# Allegro board RK_NVR_DEMO_RK3568_DDR4P216SD4_V12_20201221YWQ_final.brd (continued)
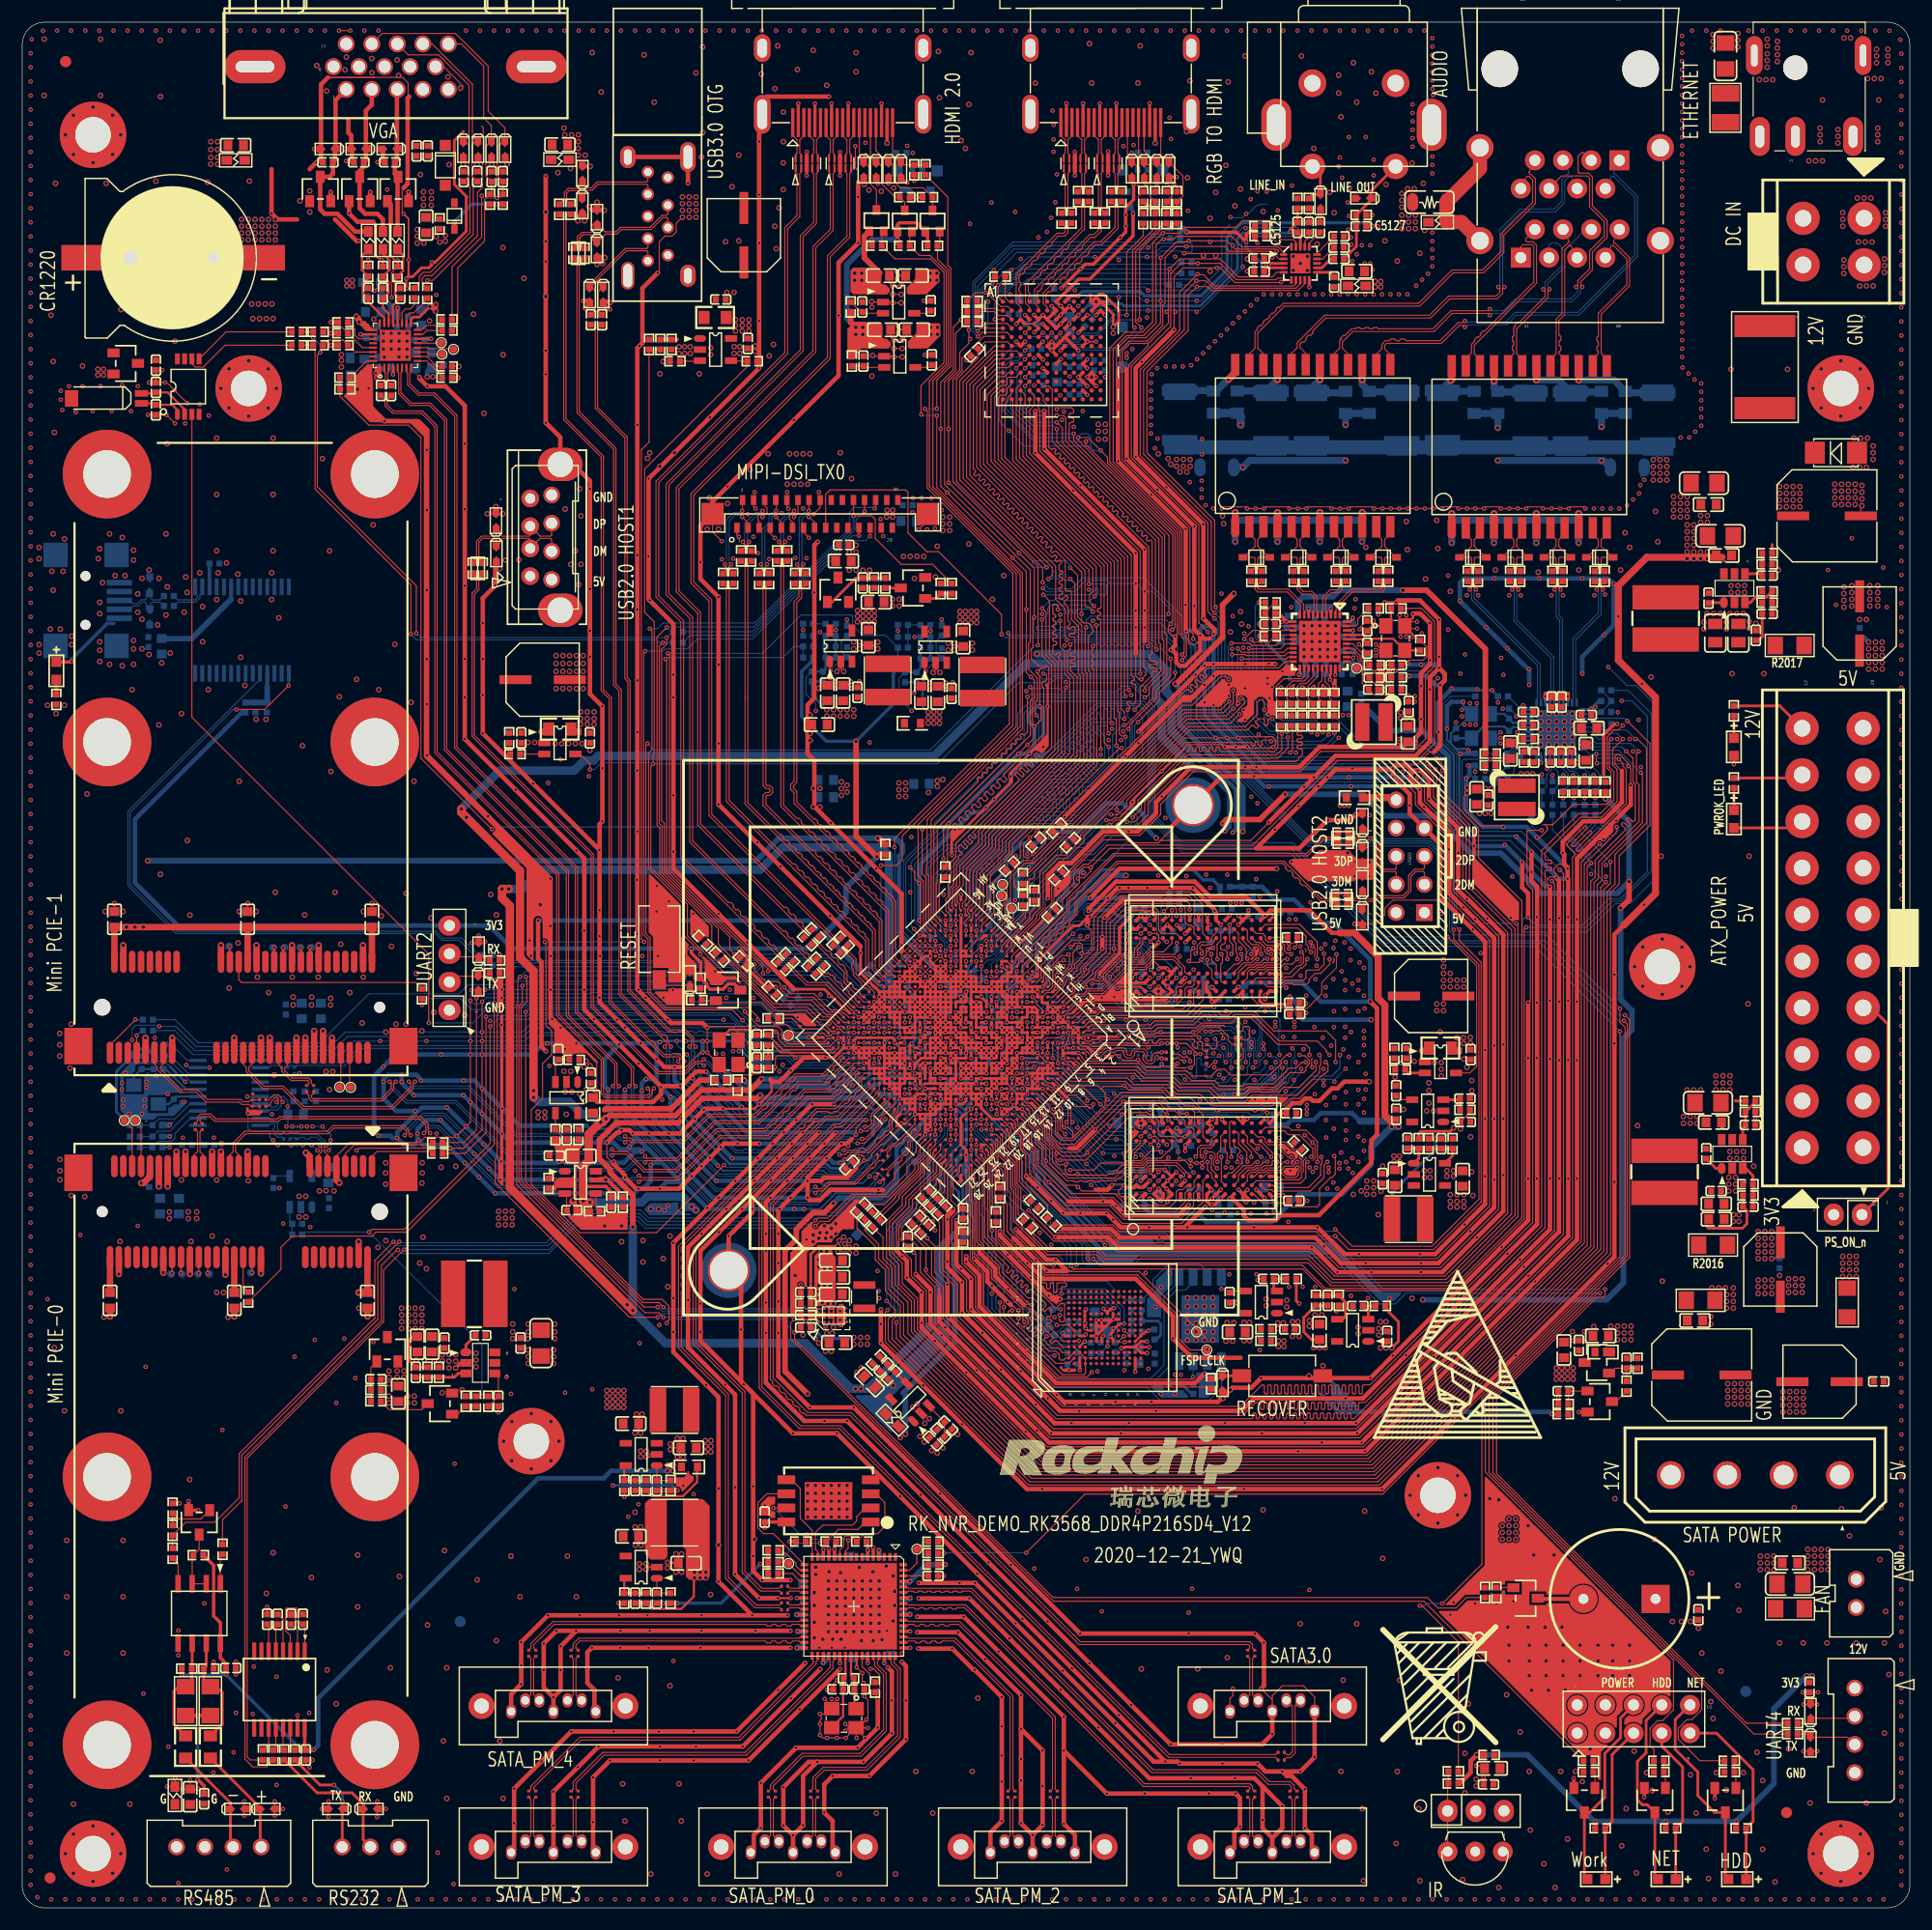
[diagram p0: board, top side]
## Routing (per net, layer and track width the routed paths; a pad name or vN(x,y) marks a point on that pad's centre or on a via; arc(x,y) is an arc through that point) (continued)
N21602190: length 1.5
  TOP w0.102: J8500.32 v1(15.91,57.2)
N21602258: length 3.1
  TOP w0.102: J8501.45 28.71,74.09 TP8512.1
N21602276: length 3.2
  TOP w0.102: J8501.47 29.51,74.04 TP8513.1
N21602301: length 4.3
  TOP w0.102: J8500.45 10.71,70.46 TP8505.1
N21602303: length 4.4
  TOP w0.102: J8500.47 9.91,70.26 TP8506.1
N21603110: length 1.4
  TOP w0.102: J8501.20 v1(18.71,86.66)
N21603131: length 1.4
  TOP w0.102: J8500.20 v1(20.71,57.27)
N21603156: length 1.3
  TOP w0.102: J8501.36 v1(25.11,86.56)
N21603165: length 1.3
  TOP w0.102: J8501.38 v1(25.91,86.56)
N21603192: length 1.5
  TOP w0.102: J8500.36 v1(14.31,57.2)
N21603201: length 1.5
  TOP w0.102: J8500.38 v1(13.51,57.2)
N21604892: length 2.5
  TOP w0.102: R9007.2 R9010.1 154.41,12.11 Q9001.1
N21604980: length 2.5
  TOP w0.102: R9008.2 R9011.1 148.06,12.11 Q9002.1
N21605068: length 2.5
  TOP w0.102: R9006.2 R9009.1 141.71,12.11 Q9000.1
N21605777: length 2.6
  TOP w0.102: R7004.2 R7005.1 134.35,28.87 Q7000.1
N21605860: length 4.1
  TOP w0.381: BP7000.2 136.62,27.84 Q7000.3
N21605953: length 1
  TOP w0.102: v1(82.28,87.17) 82.28,87.17 U1000.AF8
  BOTTOM w0.089: v1(82.28,87.17) 81.94,87.51 R1502.1
N21606908: length 7.3
  TOP w0.102: R1901.1 90.87,64.45 89.86,65.46 89.86,67.57 88.9,68.53 88.9,69.85 88.72,70.03 U1000.A19
N21606911: length 10.4
  TOP w0.102: U1000.B19 88.37,70.51 88.81,70.51 89.03,70.28 89.03,70.11 89.1,70.04 89.1,68.71 90.06,67.75 90.06,65.66 92.39,63.33 R1902.1
N21606914: length 8.5
  TOP w0.102: U1000.A20 88.32,69.64 88.32,68.35 89.45,67.22 89.45,65.16 89.74,64.87 89.74,62.51 R1904.1
N21607391: length 1.9
  TOP w0.254: U7000.12 117.1,147.83 117.91,148.64 C7005.1
N21607575: length 2
  TOP w0.102: C7004.1 117.17,148.63 U7000.14
N21607578: length 2.3
  TOP w0.102: C7003.1 116.66,149.14 U7000.15
N21607622: length 1.7
  TOP w0.102: U7000.16 115.96,150.06 C7002.1
N21607655: length 1.4
  TOP w0.254: U7000.18 115.16,150.78 C7000.1
N21607662: length 1.5
  TOP w0.102: C7001.1 115.93,150.57 115.56,150.21 U7000.17
N21615493: length 2.7
  TOP w0.102: U9500.1 17.86,31.67 R9504.2
N21615495: length 2.5
  TOP w0.102: U9500.4 14.05,31.02 R9507.2
N21615510: length 6
  TOP w0.102: Q9500.3 15.94,32.31 R9502.2 15.32,31.69 U9500.3 U9500.2
N21615528: length 5
  TOP w0.102: Q9500.1 16.1,35.05 14.07,35.05 R9510.1 R9509.2
N21615703: length 9.5
  TOP w0.305: R9505.2 v1(15.8,17.33) R9506.2 ; v1(15.8,11.58) 16.4,10.98 C9502.1
  BOTTOM w0.305: v1(15.8,17.33) v1(15.8,11.58)
N21617958: length 2.5
  TOP w0.102: U9501.1 25.46,25.4 C9504.2
N21617961: length 5.8
  TOP w0.102: U9501.3 24.16,24.56 23.72,24.99 23.72,26.92 23.83,27.03 24.73,27.03 C9504.1
N21617992: length 2.7
  TOP w0.102: U9501.2 24.81,25 C9506.2
N21618021: length 3.5
  TOP w0.102: U9501.4 23.51,25.98 C9507.2
N21618024: length 2.5
  TOP w0.102: U9501.5 22.86,25.38 C9507.1
N21618065: length 2.5
  TOP w0.102: U9501.6 22.21,25.42 C9508.2
N21619259: length 2.2
  TOP w0.102: U9501.14 24.16,14.65 R9512.1
N21619262: length 2
  TOP w0.102: U9501.13 23.51,14.34 R9514.1
N21650806: length 3.6
  TOP w0.102: v1(73.32,115.19) 73.27,115.14 U2103.5
  BOTTOM w0.203: R2113.2 C2122.2 R2121.1 73.3,115.12 73.32,115.14 v1(73.32,115.19) 73.3,115.22 R2117.2
N21650954: length 5.2
  TOP w0.102: U2103.1 72.77,111.61 72.82,111.56 v1(72.82,111.53)
  BOTTOM w0.102: R2108.2 73.81,114.16 73.81,113.23 C2118.1 73.85,112.27 73.53,112.27 72.82,111.56 v1(72.82,111.53)
N21651012: length 3.2
  BOTTOM w0.102: R2116.2 R2120.1 C2124.1 71.27,115.74 R2117.1
N21655164: length 4.9
  TOP w0.102: U1000.AB1 88.24,88.99 88.24,90.32 88.75,90.83 88.75,91.85 TP1601.1
N21655182: length 3.3
  TOP w0.102: U1000.AC1 87.88,89.55 87.88,90.88 TP1602.1
N21655200: length 3.2
  TOP w0.102: TP1603.1 89.3,89.97 89.3,89.05 87.88,87.63 U1000.AA1
N21695910: length 1.4
  TOP w0.305: v1(101.4,153.31) 101.4,153.41 R5109.1
  BOTTOM w0.305: D5100.2 102.12,153.31 v1(101.4,153.31)
N21696552: length 1.8
  TOP w0.305: R5120.1 v1(102.6,154.7) R5121.1
  BOTTOM w0.305: v1(102.6,154.7) 102.58,154.7 102.57,154.71 D5101.2
N21697184: length 2.6
  TOP w0.102: U5100.A2 88.95,144.79 88.56,145.17 R5119.1
N21703195: length 1.6
  TOP w0.102: U5101.4 81.64,143.74 C5115.1
N21703791: length 3.3
  TOP w0.102: U5101.3 75.81,143.74 C5114.1 75.55,143.86 R5125.2
N21704850: length 1.6
  TOP w0.102: U5103.4 81.74,138.86 C5123.1
N21704904: length 3
  TOP w0.102: U5103.3 75.91,138.86 C5122.1 R5126.2
N21706207: length 2.1
  TOP w0.102: R9511.1 22.86,14.43 U9501.12
N21706210: length 2.2
  TOP w0.102: R9513.1 22.21,14.75 U9501.11
N21706664: length 9.9
  TOP w0.254: R9515.2 21.45,9.01 ED9505.1 21.45,5.58 J9501.1
N21706689: length 9.8
  TOP w0.254: J9501.2 18.76,5.72 ED9504.1 18.76,9.46 R9516.2
N21707115: length 13.5
  TOP w0.152: v1(96.76,141.19) v1(95.96,141.19)
  TOP w0.254: 96.76,145.19 96.77,145.19 97.05,145.46 97.41,145.46 97.94,144.93 ; U5100.A11 96.27,144.88 96.27,145.39 ; 97.94,144.93 97.8,144.79 U5100.A12 98.3,143.65 v2(98.3,142.49) 98.81,143 98.81,144.07 97.94,144.93
  TOP w0.305: 96.76,144.39 U5100.A12 96.76,145.19 U5100.A11 96.76,144.39 ; 96.76,144.39 U5100.B11 ; U5100.F10 v1(95.96,141.19) U5100.E10
  vias: v2(98.3,141.94)
N21724674: length 18.9
  TOP w0.635: U6701.4 v2(132.61,125.68) ; U6701.7 v2(136.43,125.68) ; U6701.10 v2(140.24,125.68) ; U6701.1 v2(128.8,125.68)
  BOTTOM w0.635: C6726.1 C6727.1 v2(128.8,125.68) ; C6726.1 C6728.1 ; C6726.1 v2(132.61,125.68) ; C6728.1 C6725.1 140.23,125.67 v2(140.24,125.68) ; C6728.1 136.42,125.67 v2(136.43,125.68)
N21725684: length 23.2
  POWER w0.635: v2(142.29,130.45) v2(142.29,133.5) ; v2(132.95,133.41) v2(132.95,130.47)
  BOTTOM w0.635: v2(132.95,133.41) R6748.2 R6749.2 ; v2(142.29,133.5) 142.3,133.51 R6747.2 R6746.2 ; C6704.1 142.49,130.45 v2(142.29,130.45) 142.28,130.47 v2(132.95,130.47)
N21738710: length 19.4
  TOP w0.635: U6801.7 v2(116.93,125.78) ; U6801.1 v2(109.3,125.78) ; U6801.10 v2(120.74,125.78) ; U6801.4 v2(113.11,125.78)
  BOTTOM w0.635: C6826.1 116.92,125.77 v2(116.93,125.78) ; C6826.1 C6828.1 ; C6826.1 C6827.1 120.73,125.77 v2(120.74,125.78) ; C6828.1 v2(113.11,125.78) ; C6828.1 C6825.1 v2(109.3,125.78)
N21738826: length 23.9
  POWER w0.635: v2(109.98,129.84) 109.79,130.04 v2(109.79,133.68) ; v2(119.24,130.47) v2(119.24,133.68)
  BOTTOM w0.635: R6846.2 R6847.2 v2(119.24,133.68) ; v2(119.24,130.47) 110.6,130.47 v2(109.98,129.84) C6804.1
  BOTTOM w0.762: R6849.2 R6848.2 109.79,134.42 v2(109.79,133.68)
N21750647: length 37.5
  TOP w1.27: 128.33,151.96 C6729.1 131.35,156.79 J6700.4 ; 128.33,151.96 129.68,151.96 J6700.2 ; 128.33,151.96 FB6701.2
  POWER w2.032: J6700.4 132.78,160.09 146.17,160.09 J6700.3 J6700.1
N21758443: length 21
  TOP w0.254: J2004.1 168.1,64.82 168.1,79.65 166.62,81.13 J2000.14
N21773697: length 3.8
  TOP w0.102: R9606.1 31.42,45.66 R9609.2 C9516.2 31.42,48.71 Q9502.1
N21773715: length 4.8
  TOP w0.102: R9606.2 33.07,44.91 36,44.91 Q9501.3
N21773731: length 2.4
  TOP w0.102: Q9501.1 39.25,44.5 R9608.1 R9605.2
N21777742: length 1.2
  TOP w0.305: U5100.D8 v1(94.36,142.79)
  BOTTOM w0.305: v1(94.36,142.79) 94.39,142.81 C5128.1
N21779349: length 18.6
  TOP w0.102: v1(87.63,143.19) U5100.C1
  BOTTOM w0.102: R5111.1 103.23,146.41 90.47,146.41 90.37,146.3 89.35,146.3 87.63,144.59 v1(87.63,143.19)
N21779356: length 3.4
  TOP w0.102: U5100.C2 88.81,143.54 87.96,143.54 87.6,143.89 R5112.1
N21779359: length 2.7
  TOP w0.102: U5100.B1 88.02,143.99 87.83,144.17 86.73,144.17 R5114.1
N21779362: length 19
  TOP w0.102: U5100.A1 87.93,145.21 v1(87.93,146.28)
  BOTTOM w0.102: R5115.1 104.3,148.16 90.29,148.16 89.36,147.22 88.9,147.22 87.96,146.28 v1(87.93,146.28)
N21779365: length 21.1
  TOP w0.102: v1(87.22,145.9) 87.19,145.86 87.19,145.32 88.16,144.35 88.8,144.35 U5100.B2
  BOTTOM w0.102: v1(87.22,145.9) 87.29,145.9 87.49,145.69 88.16,145.69 89.28,146.81 89.58,146.81 90.11,147.35 R5117.1
N21779889: length 2.1
  TOP w0.305: U5100.C9 v1(95.16,143.59)
  BOTTOM w0.254: C5125.1 96.15,144.58 v1(95.16,143.59)
N21781422: length 33.4
  TOP w0.254: C5127.1 v1(121.67,151.59)
  TOP w0.305: U5100.A8 94.49,145.31 v1(95.15,145.31)
  BOTTOM w0.305: v1(121.67,151.59) 121.36,151.89 109.88,151.89 108.56,150.57 108.56,147.65 106.22,145.31 101.12,145.31 100.74,145.69 95.53,145.69 v1(95.15,145.31)
N21878888: length 4.4
  TOP w0.102: U1000.AG27 73.03,78.38 72.57,78.38 72.29,78.09 69.58,78.09 TP1201.1
N21879338: length 4.4
  TOP w0.102: R1204.2 60.33,82.98 D1201.1 57.94,83.14 SW1201.1
N21881423: length 3.1
  TOP w0.635: J2502.10 123.6,100.08 R2533.1
N21886811: length 6.4
  TOP w0.102: R1803.1 87.53,92.46 87.53,89.66 86.42,88.55 U1000.AC2
N21887537: length 2.9
  TOP w0.102: D1500.1 107.95,47.69 R1501.2
  TOP w0.254: D1500.1 108.21,47.96 SW1500.1
N22020751: length 2
  TOP w0.254: LED2001.1 R2020.2
N22068339: length 2
  TOP w0.254: R2021.2 LED2002.1
N22068534: length 6.3
  TOP w0.254: R2021.1 160.09,101.85 J2000.9
N22068551: length 6.4
  TOP w0.254: J2000.8 159.79,97.35 LED2002.2
N22236399: length 4.6
  BOTTOM w0.33: 22.08,110.06 U9100.4
  BOTTOM w0.508: R9102.2 C9100.1 C9101.1 22.08,108.69 22.08,110.06
N22236619: length 1.3
  TOP w0.305: LED9100.2 R9103.1
N22236693: length 61
  TOP w0.102: v1(19.3,108.03) 21.84,108.03 v1(24,110.19)
  BOTTOM w0.102: v1(24,110.19) 24.03,110.21 U9100.1 ; v1(19.3,108.03) 19.02,108.03 9.73,98.74 9.73,92.24 13.93,88.04 37.3,88.04 37.91,87.42 39.58,87.42 41.1,85.89 R9106.2
N22236695: length 59.1
  BOTTOM w0.102: R9107.2 41.48,85.12 39.39,87.21 37.83,87.21 37.21,87.83 13.84,87.83 9.52,92.15 9.52,98.84 21.43,110.74 U9100.5

## Copper pours and planes (outline as drawn; the poured copper is in the pictures)
GND on TOP (solid shape): 118.79,112.28 115.04,112.28 115.04,116.02 118.79,116.02
GND on TOP (solid shape): 20.42,72.09 20.42,71.93 21.06,71.93 21.06,71.88 21.69,71.88 21.69,71.73 21.39,71.42 20.37,71.42 20.17,71.63 20.17,72.17 20.34,72.17
GND on TOP (solid shape): 91.95,89.14 91.98,89.19 92.03,89.18 92.18,89.03 89.84,86.69 89.8,86.69 89.66,86.83 89.66,86.83 91.95,89.12
GND on TOP (solid shape): 72.83,31.07 76.53,31.07 76.53,31.09 76.83,31.09 76.83,31.07 78.83,31.07 78.83,23.28 75.33,23.28 75.33,23.27 75.03,23.27 75.03,23.28 71.03,23.28 71.03,31.07 72.53,31.07 72.53,31.09 72.83,31.09
GND on TOP (solid shape): 71.54,79.64 71.56,79.53 71.47,79.46 70.52,79.46 70.04,79.94 69.99,79.89 69.45,80.44 68.59,80.44 68.59,80.62 70.56,80.62
GND on TOP (solid shape): 120.14,94.56 121.67,94.56 121.79,94.44 121.79,92.79 121.67,92.66 121.07,92.66 121.07,92.67 121.02,92.67 120.9,92.79 120.27,92.79 120.01,92.53 115.85,92.53 114.17,94.21 114.17,94.31 114.43,94.56 116.08,94.56 116.84,95.33 119.38,95.33
GND on TOP (solid shape): 59.62,82.62 60.07,82.62 60.07,82.3 59.85,82.3 59.85,81.4 58.08,81.4 57.03,82.44 57.01,82.55 57.11,82.62 58.22,82.62 58.22,82.89 59.62,82.89
GND on TOP (solid shape): 138.62,60.83 120.41,42.62 92.71,42.62 82.5,52.84 82.5,55.83 82.56,55.93 82.67,55.91 82.75,55.83 82.75,52.98 92.81,42.93 120.3,42.93 138.32,60.94 138.32,91.95 138.62,91.95
GND on TOP (solid shape): 113.94,73.1 114.03,73.04 114.01,72.93 113.58,72.49 110.49,72.49 110.4,72.55 110.42,72.67 110.86,73.1
GND on TOP (solid shape): 115.05,66.92 115.09,66.84 115.09,66.59 114.81,66.31 114.81,66.1 114.69,65.99 113.94,65.99 113.57,66.36 113.79,66.59 113.79,66.69 113.8,66.7 114.57,66.7 114.81,66.94 114.84,66.94 114.9,66.93 114.96,66.94
GND on TOP (solid shape): 94.4,93.18 94.46,93.19 94.49,93.14 94.49,92.42 93.19,91.12 93.08,91.1 93.02,91.19 93.02,92.07 93.08,92.09 93.1,92.07 94.16,93.13 94.35,93.13
GND on TOP (solid shape): 104.6,104.55 104.71,104.57 104.77,104.48 104.77,104.42 100.28,99.93 100.28,99.57 99.01,98.3 98.93,98.3 98.89,98.33 98.9,98.38 99.77,99.26 99.77,99.72
GND on TOP (solid shape): 43.22,80.59 43.32,80.57 43.36,80.49 43.36,65.2 43.3,65.1 43.18,65.12 42.88,65.43 42.88,67.36 43.05,67.53 43.05,80.44 43.19,80.58
GND on TOP (solid shape): 84.02,63.09 84.02,62.79 83.52,62.28 83.52,57.81 84.84,56.49 84.84,53.74 93.63,44.94 109.87,44.94 109.9,44.97 109.95,44.98 109.98,44.93 109.98,44.77 109.85,44.64 93.38,44.64 84.53,53.48 84.53,56.29 83.21,57.61 83.21,62.26 83.05,62.41 83.88,63.24
GND on TOP (solid shape): 60.19,89.9 60.25,90 60.36,89.97 61.87,88.46 61.87,87.58 61.81,87.48 61.7,87.51 61.64,87.57 61.57,87.5 61.5,87.57 60.93,86.99 60.19,87.73
GND on TOP (solid shape): 52.44,65.92 52.51,66.01 52.62,65.99 53.89,64.71 53.92,64.6 53.82,64.54 53.42,64.54 53.42,64.69 52.73,65.38 51.13,65.38 51.13,65.89 51.22,65.89 51.27,65.84 51.95,65.84 52,65.89 52.44,65.89
GND on TOP (solid shape): 122.88,111.54 123.42,111.54 123.43,111.4 122.88,111.4 122.88,110.59 121.97,110.59 121.95,110.61 121.95,111.16 122.08,111.28 122.12,111.44 122.15,111.51 122.22,111.54 122.75,111.54 122.75,111.77 122.88,111.77
GND on TOP (solid shape): 60.1,39.18 60.34,38.94 60.5,38.94 60.5,38.51 59.56,37.56 59.45,37.54 59.39,37.63 59.29,37.86 59.05,37.96 58.9,37.96 58.9,38.81 59.62,38.81 59.87,39.06 59.87,39.14 59.92,39.14 59.92,39.36 60.1,39.36
GND on TOP (solid shape): 73,58.95 73.3,58.65 73.3,57.72 73.3,57.72 73.3,57.49 73.29,57.49 73.29,56.19 73.3,56.19 73.3,55.97 73.29,55.97 73.29,54.66 73.41,54.66 73.41,54.54 73.3,54.44 73.3,54.38 73.19,54.27 73.19,54.19 72.55,54.19 72.33,54.31 72.1,54.24 71.53,54.24 71.53,55.96 71.38,55.96 71.38,58.77 71.92,59.31 73,59.31
GND on TOP (solid shape): 61.32,85.74 61.39,85.77 61.46,85.74 63.22,83.97 64.29,83.97 64.75,83.51 64.77,83.4 64.68,83.34 64.6,83.34 64.3,83.64 63.48,83.64 63,83.16 62.11,83.16 62.02,83.26 62.02,83.42 61.61,83.83 61.61,84.27 61.49,84.27 61.49,85.37 61.29,85.57 61.26,85.65 61.3,85.72
GND on TOP (solid shape): 130.66,97.29 130.72,97.38 130.83,97.36 130.96,97.23 130.96,94.56 134.87,90.65 134.87,89.1 134.83,89.01 134.73,89 134.54,89.01 134.38,88.9 134.3,88.86 134.23,88.89 130.66,92.46
GND on TOP (solid shape): 56.44,93.08 56.5,93.17 56.61,93.15 59.33,90.43 59.33,87.58 60.05,86.86 60.08,86.79 60.05,86.72 59.97,86.6 59.94,86.46 59.94,85.91 60.77,85.08 60.77,84.27 60.65,84.27 60.65,83.66 60.46,83.66 60.46,84.09 59.83,84.09 59.83,83.67 59.82,83.66 59.62,83.66 59.62,83.4 58.22,83.4 58.22,84.72 56.84,84.72 56.84,87.52 56.44,87.92
GND on TOP (solid shape): 67.85,36.45 67.82,36.37 67.73,36.35 67.39,36.05 67.73,35.75 67.82,35.73 67.85,35.65 67.85,35.13 67.38,35.13 67.38,35.26 67.29,35.26 67.29,35.36 66.55,35.36 66.55,36.42 67.19,37.06 67.85,37.06
GND on TOP (solid shape): 143.25,97.64 143.33,97.6 143.35,97.51 143.35,97.39 143.38,97.28 143.39,97.27 143.39,97.04 142.49,96.14 142.42,96.11 142.35,96.14 142.06,96.22 141.85,96.01 141.84,95.99 140.43,94.58 140.32,94.56 140.26,94.65 140.26,94.69 143.21,97.64
GND on TOP (solid shape): 88.09,59.49 88.15,59.59 88.26,59.56 91.73,56.09 92.06,56.09 92.06,55.87 92.08,55.77 92.13,55.69 92.22,55.6 92.31,55.54 92.4,55.52 92.53,55.52 92.57,55.53 92.61,55.54 92.67,55.54 92.67,55.46 92.83,55.29 92.91,55.24 93.01,55.22 93.14,55.22 93.19,55.23 93.24,55.24 93.32,55.25 93.37,55.21 93.49,55.1 93.63,55.07 93.71,55.04 93.74,54.97 93.74,54.71 93.48,54.71 93.15,54.38 88.09,59.44
GND on TOP (solid shape): 111.46,86.5 111.46,86.21 111.36,86.09 111.34,85.94 111.32,85.86 111.25,85.82 111.13,85.78 111.04,85.68 110.73,85.38 110.67,85.43 110.68,85.46 110.69,85.51 110.69,85.57 110.72,85.64 110.78,85.67 110.99,85.8 111.03,86.05 111.03,86.06 111.05,86.35 110.9,86.49 110.88,86.6 110.97,86.67 111.29,86.67
GND on TOP (solid shape): 112.89,86.28 112.89,86.21 113.14,85.96 113.14,85.94 113.12,85.86 113.05,85.82 112.85,85.7 112.79,85.47 112.8,85.45 112.7,85.35 112.58,85.35 112.5,85.39 112.48,85.48 112.49,85.52 112.49,85.57 112.52,85.64 112.58,85.67 112.81,86.1 112.33,86.19 112.26,86.16 112.19,86.19 112.08,86.3 112.08,86.61 112.56,86.61
GND on TOP (solid shape): 48.59,69.26 48.59,68.77 50.46,68.77 50.46,68.58 50.24,68.36 50.24,67.37 49.96,67.09 49.96,63.7 50.01,63.48 50.13,63.29 50.41,63.02 51.16,63.02 51.23,63.02 51.31,63.04 51.4,63.02 51.43,62.94 51.43,62.41 51.53,62.41 51.53,62.31 52.49,62.31 52.49,62.53 52.8,62.53 52.95,62.68 54.56,62.68 54.56,61.37 54.56,61.3 54.58,61.24 54.56,61.15 54.48,61.11 50.35,61.11 49.22,62.24 49.2,62.35 49.29,62.41 49.56,62.41 49.56,62.51 49.66,62.51 49.66,63.27 49.56,63.27 49.56,63.37 49.31,63.37 49.31,63.89 49.64,63.89 49.64,64.89 48.14,64.89 48.14,64.64 47.99,64.64 47.9,64.73 47.9,65.35 48.4,65.84 49.51,65.84 49.73,66.06 49.73,66.94 49.41,67.26 48.29,67.26 48.08,67.48 48.08,68.19 48.01,68.19 48.01,68.56 47.7,68.87 47.7,69.58 48.27,69.58
GND on TOP (solid shape): 114.4,68.21 114.9,68.21 115.06,68.05 115.09,67.97 115.05,67.9 114.97,67.78 114.94,67.64 114.92,67.57 114.85,67.53 114.7,67.47 114.6,67.33 114.6,67.32 114.48,67.2 114.48,67.04 114.45,67.01 114.37,67.01 114.29,67.05 114.28,67.14 114.29,67.21 114.29,67.27 114.31,67.35 114.38,67.39 114.62,67.81 114.14,67.91 114.07,67.89 114,67.92 113.21,68.71 113.19,68.82 113.28,68.88 113.73,68.88
GND on TOP (solid shape): 92.32,110.36 92.43,110.38 92.5,110.29 92.5,104.7 91.85,104.06 91.69,104.22 91.61,104.22 91.52,104.3 91.29,104.3 91.2,104.28 91.11,104.22 91.02,104.13 90.98,104.07 90.95,104 90.95,103.98 90.84,103.87 90.82,103.86 90.75,103.84 90.68,103.79 90.59,103.7 90.55,103.64 90.52,103.57 90.52,103.55 90.4,103.43 90.39,103.43 90.31,103.41 90.25,103.36 90.16,103.27 90.12,103.21 90.09,103.13 90.09,103.12 89.97,103 89.96,103 89.88,102.98 89.82,102.93 89.73,102.84 89.68,102.78 89.66,102.7 89.66,102.69 89.54,102.57 89.53,102.57 89.45,102.54 89.39,102.5 89.3,102.41 89.24,102.33 89.23,102.23 89.23,102 89.28,101.94 89.28,101.49 83.87,96.07 83.87,94.84 83.79,94.77 83.68,94.74 83.62,94.84 83.62,97.03 83.95,97.36 84.07,97.36 84.2,97.23 84.3,97.23 84.34,97.22 84.38,97.22 84.52,97.22 84.55,97.22 84.6,97.23 84.71,97.23 88.9,101.42 88.9,101.49 88.94,101.53 88.94,101.89 88.9,101.93 88.9,102.32 92.3,105.72 92.3,110.04 92.15,110.19 92.15,110.31 92.28,110.31
GND on TOP (solid shape): 75.38,63.86 75.47,63.79 75.45,63.68 74.54,62.78 74.97,62.35 74.97,61.16 73.93,61.16 73,60.23 73,59.97 71.64,59.97 70.72,59.04 70.72,55.96 70.53,55.96 70.45,56 70.44,56.09 70.15,56.49 69.86,56.09 69.84,56 69.76,55.96 69.67,55.96 69.67,54.02 70.27,54.02 70.29,54 70.3,53.94 70.25,53.91 69.67,53.91 69.67,53.44 69.64,53.36 69.56,53.34 69.45,53.32 69.36,53.27 69.25,53.26 69.19,53.35 69.19,59.04 70.21,60.06 70.21,60.97 71.06,61.83 71.15,61.86 71.22,61.81 71.24,61.79 71.26,61.72 71.24,61.66 71.34,61.2 71.77,61.39 71.77,61.4 71.99,61.62 72.8,61.62 75.04,63.86
GND on TOP (solid shape): 100.07,84.23 100.04,84.16 99.97,84.12 99.69,83.82 99.97,83.52 100.04,83.49 100.07,83.42 100.07,83.21 98.77,83.21 98.77,83.22 98.42,82.79 98.97,82.8 98.98,82.83 100.07,82.83 100.07,82.66 99.93,82.52 99.91,82.51 99.78,82.01 100.28,82.15 100.29,82.16 100.34,82.22 100.44,82.22 100.5,82.16 100.5,82.15 100.81,81.92 101.09,82.17 101.1,82.22 102.04,82.22 102.1,82.16 102.1,82.15 102.39,81.92 102.68,82.15 102.69,82.16 102.74,82.22 103.34,82.22 103.43,82.15 103.41,82.04 103.06,81.7 96.66,81.7 96.55,81.59 95.85,81.59 95.38,81.11 95.1,81.39 95.47,81.77 95.87,81.77 96.36,82.26 97.46,82.26 99.84,84.64 100.07,84.64
GND on TOP (solid shape): 31.57,139.14 31.61,139.11 31.6,139.05 31.55,139 31.55,138.58 31.5,138.58 31.55,138.52 31.55,138.49 31.55,138.48 31.52,138.34 31.55,138.2 31.55,138.19 31.55,137.9 31.57,137.79 31.62,137.69 31.62,135.36 32.77,134.21 33.99,134.21 34.02,134.18 35.83,134.18 36.7,133.3 36.7,131.65 36.63,131.57 36.63,104.04 47.8,92.86 47.8,80.37 51.87,76.3 51.87,76.22 51.8,76.13 51.69,76.15 50.83,77.01 49.85,77.01 49.76,76.92 48.79,76.92 48.79,76.94 48.69,76.94 48.69,77.04 47.96,77.04 47.96,79.15 47.45,79.66 47.45,87.07 47.39,87.14 47.38,87.15 47.24,87.33 47.02,87.36 46.93,87.38 46.89,87.46 46.89,89 46.48,89.41 46.08,89 46.08,85.5 46.01,85.41 45.9,85.43 45.44,85.89 45.44,93.71 42.38,96.78 42.35,96.87 42.42,96.95 42.62,97.24 42.39,97.52 42.38,97.53 36.18,103.73 36.18,132.63 34.9,133.91 31.33,133.91 29.01,136.23 28.98,136.34 29.08,136.41 29.11,136.41 29.11,136.5 29.21,136.5 29.21,137.27 29.11,137.27 29.11,137.46 30.01,137.46 30.01,138.06 31.09,139.14
GND on TOP (solid shape): 113.99,112.02 114.79,112.02 114.79,111.75 114.79,111.39 114.71,111.31 114.71,111.15 114.71,111.05 113.59,111.05 112.74,110.2 112.74,108.88 112.94,108.68 112.94,108.08 113.17,108.08 113.17,107.93 112.94,107.93 112.94,107.39 112.85,107.39 112.83,107.41 112.66,107.49 112.47,107.45 112.46,107.44 112.22,107.44 112.17,107.39 112.14,107.39 112.01,107.52 112.01,107.71 112.04,107.73 112.2,107.91 112.17,108.15 112.17,108.16 112.17,108.82 111.84,109.15 111.38,109.15 111.25,109.02 111.23,109.02 111,108.79 111,107.65 110.23,106.88 109.56,106.88 109.47,106.95 109.49,107.06 109.74,107.31 109.75,107.31 109.97,107.52 109.89,107.82 109.86,107.89 109.89,107.96 110.39,108.46 110.39,109.02 110.14,109.27 109.99,109.27 109.98,109.28 109.55,109.14 109.74,108.73 109.8,108.66 109.78,108.56 109.5,108.29 109.43,108.26 109.35,108.3 109.33,108.32 109.3,108.39 109.33,108.46 109.37,108.5 109.37,109.56 109.38,109.58 109.12,110.03 108.85,109.58 108.86,109.56 108.86,109.15 108.83,109.08 108.76,109.05 108.58,108.99 108.47,108.83 108.47,108.81 107.91,108.25 105.86,108.25 105.77,108.32 105.79,108.43 108.11,110.74 108.35,110.74 108.41,110.68 108.42,110.67 108.92,110.53 108.79,111.04 108.77,111.04 108.56,111.25 107.9,111.25 105.3,108.66 104.49,108.66 93.85,98.02 93.61,98.26 99.3,103.95 99.37,103.95 104.72,109.3 105.41,109.3 105.48,109.37 105.53,109.4 105.57,109.43 105.66,109.52 105.69,109.55 105.72,109.6 105.92,109.8 105.97,109.83 106,109.86 106.09,109.95 106.12,109.98 106.15,110.03 106.35,110.23 106.4,110.26 106.43,110.29 106.52,110.38 106.55,110.41 106.58,110.46 106.78,110.66 106.83,110.69 106.86,110.72 106.95,110.81 106.98,110.85 107.01,110.9 107.62,111.51 113.31,111.51 113.9,112.09 113.99,112.09
GND on TOP (solid shape): 131.78,38.74 131.78,38.76 131.78,38.78 131.8,38.81 131.82,38.83 131.85,38.84 131.88,38.84 131.91,38.84 131.94,38.82 131.95,38.81 148.53,22.23 148.53,19.14 148.53,19.13 148.52,19.1 148.5,19.08 148.48,19.06 148.46,19.05 148.43,19.04 148.4,19.04 148.37,19.06 148.33,19.09 148.25,19.14 148.18,19.18 148.09,19.22 148.01,19.25 147.92,19.27 147.84,19.28 147.75,19.29 147.66,19.29 147.57,19.28 147.48,19.26 147.4,19.23 147.31,19.2 147.23,19.16 147.16,19.11 147.09,19.06 147.02,19 146.96,18.93 146.91,18.86 146.86,18.78 146.82,18.71 146.79,18.62 146.76,18.54 146.74,18.45 146.73,18.36 146.73,18.27 146.73,18.18 146.75,18.1 146.77,18.01 146.8,17.92 146.83,17.85 145.99,17.01 145.99,16.6 145.99,16.59 145.98,16.56 145.96,16.54 145.94,16.52 145.92,16.51 145.89,16.5 145.86,16.5 145.83,16.52 145.79,16.55 145.71,16.6 145.64,16.64 145.56,16.68 145.47,16.71 145.39,16.73 145.3,16.74 145.21,16.75 145.12,16.75 145.03,16.74 144.94,16.72 144.86,16.69 144.78,16.66 144.7,16.62 144.62,16.57 144.55,16.52 144.51,16.48 144.48,16.47 144.45,16.46 144.42,16.47 144.4,16.48 144.37,16.5 144.36,16.52 144.35,16.55 144.35,16.57 144.35,16.98 144.76,17.39 144.8,17.37 144.88,17.33 144.97,17.31 145.05,17.29 145.14,17.29 145.23,17.29 145.32,17.29 145.41,17.31 145.49,17.33 145.58,17.36 145.66,17.4 145.74,17.45 145.81,17.5 145.88,17.56 145.94,17.62 145.99,17.69 146.04,17.76 146.09,17.84 146.12,17.92 146.15,18.01 146.17,18.09 146.19,18.18 146.19,18.27 146.19,18.36 146.18,18.45 146.16,18.54 146.14,18.62 146.1,18.7 146.06,18.78 146.01,18.86 145.96,18.93 145.9,19 145.83,19.06 145.76,19.11 145.69,19.16 145.61,19.2 145.52,19.23 145.44,19.26 145.35,19.28 145.26,19.29 145.17,19.29 145.08,19.28 145,19.27 144.91,19.25 144.83,19.22 144.74,19.18 144.67,19.14 144.59,19.09 144.52,19.03 144.46,18.97 144.4,18.9 144.35,18.83 144.3,18.76 144.27,18.67 144.24,18.59 144.21,18.5 144.2,18.42 144.19,18.33 144.19,18.24 144.2,18.15 144.21,18.06 144.24,17.98 144.27,17.89 144.29,17.85 143.69,17.25 143.69,16.33 143.69,16.32 143.68,16.29 143.66,16.26 143.64,16.25 143.61,16.23 143.59,16.23 143.56,16.23 143.53,16.25 143.51,16.27 143.48,16.32 143.42,16.39 143.36,16.45 143.3,16.51 143.22,16.57 143.15,16.62 143.07,16.66 142.99,16.69 142.9,16.72 142.81,16.74 142.72,16.75 142.63,16.75 142.54,16.74 142.45,16.73 142.37,16.71 142.28,16.68 142.2,16.64 142.12,16.6 142.05,16.55 141.98,16.49 141.92,16.43 141.86,16.36 141.81,16.29 141.76,16.21 141.72,16.13 141.69,16.04 141.67,15.96 141.66,15.87 141.65,15.78 141.65,15.69 141.66,15.6 141.68,15.51 141.7,15.42 141.73,15.34 141.77,15.26 141.82,15.18 141.87,15.11 141.93,15.05 142,14.98 142.07,14.93 142.15,14.88 142.23,14.84 142.31,14.81 142.39,14.78 142.48,14.76 142.57,14.75 142.66,14.75 142.75,14.74 142.77,14.73 142.79,14.71 142.8,14.69 142.81,14.66 142.81,14.63 142.81,14.61 142.78,14.57 142.27,14.06 142.27,11.55 141.96,11.55 141.96,11.76 142.05,11.76 142.05,13.74 140.55,13.74 138.5,15.79 139.11,15.79 139.11,15.7 139.12,15.61 139.13,15.52 139.16,15.44 139.19,15.35 139.23,15.27 139.27,15.2 139.33,15.12 139.39,15.05 139.45,14.99 139.52,14.94 139.6,14.89 139.68,14.84 139.76,14.81 139.84,14.78 139.93,14.76 140.02,14.75 140.11,14.75 140.2,14.75 140.29,14.76 140.38,14.78 140.46,14.81 140.55,14.84 140.62,14.89 140.7,14.94 140.77,14.99 140.83,15.05 140.89,15.12 140.95,15.2 140.99,15.27 141.03,15.35 141.06,15.44 141.09,15.52 141.1,15.61 141.11,15.7 141.11,15.79 141.1,15.88 141.09,15.97 141.06,16.06 141.03,16.14 140.99,16.22 140.95,16.3 140.89,16.37 140.83,16.44 140.77,16.5 140.7,16.56 140.62,16.61 140.55,16.65 140.46,16.69 140.38,16.71 140.29,16.73 140.2,16.75 140.11,16.75 140.02,16.75 139.93,16.73 139.84,16.71 139.76,16.69 139.68,16.65 139.6,16.61 139.52,16.56 139.45,16.5 139.39,16.44 139.33,16.37 139.27,16.3 139.23,16.22 139.19,16.14 139.16,16.06 139.13,15.97 139.12,15.88 139.11,15.79 138.5,15.79 135.96,18.33 139.11,18.33 139.11,18.24 139.12,18.15 139.13,18.06 139.16,17.98 139.19,17.89 139.23,17.81 139.27,17.74 139.33,17.66 139.39,17.59 139.45,17.53 139.52,17.48 139.6,17.43 139.68,17.38 139.76,17.35 139.84,17.32 139.93,17.3 140.02,17.29 140.11,17.29 140.2,17.29 140.29,17.3 140.38,17.32 140.46,17.35 140.55,17.38 140.62,17.43 140.7,17.48 140.77,17.53 140.83,17.59 140.89,17.66 140.95,17.74 140.99,17.81 141.03,17.89 141.06,17.98 141.09,18.06 141.1,18.15 141.11,18.24 141.11,18.33 141.65,18.33 141.65,18.24 141.66,18.15 141.67,18.06 141.7,17.98 141.73,17.89 141.77,17.81 141.81,17.74 141.87,17.66 141.93,17.59 141.99,17.53 142.06,17.48 142.14,17.43 142.22,17.38 142.3,17.35 142.38,17.32 142.47,17.3 142.56,17.29 142.65,17.29 142.74,17.29 142.83,17.3 142.92,17.32 143,17.35 143.09,17.38 143.16,17.43 143.24,17.48 143.31,17.53 143.37,17.59 143.43,17.66 143.49,17.74 143.53,17.81 143.57,17.89 143.6,17.98 143.63,18.06 143.64,18.15 143.65,18.24 143.65,18.33 143.64,18.42 143.63,18.51 143.6,18.6 143.57,18.68 143.53,18.76 143.49,18.84 143.43,18.91 143.37,18.98 143.31,19.04 143.24,19.1 143.16,19.15 143.09,19.19 143,19.23 142.92,19.25 142.83,19.27 142.74,19.29 142.65,19.29 142.56,19.29 142.47,19.27 142.38,19.25 142.3,19.23 142.22,19.19 142.14,19.15 142.06,19.1 141.99,19.04 141.93,18.98 141.87,18.91 141.81,18.84 141.77,18.76 141.73,18.68 141.7,18.6 141.67,18.51 141.66,18.42 141.65,18.33 141.11,18.33 141.1,18.42 141.09,18.51 141.06,18.6 141.03,18.68 140.99,18.76 140.95,18.84 140.89,18.91 140.83,18.98 140.77,19.04 140.7,19.1 140.62,19.15 140.55,19.19 140.46,19.23 140.38,19.25 140.29,19.27 140.2,19.29 140.11,19.29 140.02,19.29 139.93,19.27 139.84,19.25 139.76,19.23 139.68,19.19 139.6,19.15 139.52,19.1 139.45,19.04 139.39,18.98 139.33,18.91 139.27,18.84 139.23,18.76 139.19,18.68 139.16,18.6 139.13,18.51 139.12,18.42 139.11,18.33 135.96,18.33 127.69,26.6 127.68,26.61 127.67,26.64 127.66,26.66 127.67,26.69 127.68,26.72 127.7,26.75 127.72,26.76 127.75,26.77 127.76,26.77 129.29,26.77 130.24,27.72 131.33,27.72 131.33,27.49 132.29,27.49 132.29,28.39 132.45,28.39 132.45,28.29 133.21,28.29 133.21,28.39 133.31,28.39 133.31,28.62 133.61,28.62 133.61,28.25 135.12,28.25 135.12,28.51 135.81,28.51 135.81,27.3 137.32,27.3 137.32,27.45 139.35,27.45 139.37,27.4 139.41,27.3 139.45,27.21 139.5,27.12 139.56,27.03 139.63,26.95 139.7,26.87 139.77,26.8 139.85,26.74 139.94,26.68 140.03,26.63 140.13,26.58 140.22,26.55 140.32,26.52 140.43,26.49 140.53,26.48 140.63,26.47 140.74,26.47 140.84,26.48 140.94,26.5 141.04,26.52 141.14,26.56 141.24,26.6 141.33,26.64 141.42,26.7 141.51,26.76 141.59,26.83 141.66,26.9 141.73,26.98 141.79,27.06 141.85,27.15 141.9,27.24 141.94,27.33 141.98,27.43 142,27.53 142.02,27.64 142.04,27.74 142.04,27.84 142.04,27.95 142.02,28.05 142,28.15 141.98,28.25 141.94,28.35 141.9,28.45 141.85,28.54 141.79,28.63 141.73,28.71 141.66,28.79 141.59,28.86 141.51,28.93 141.42,28.99 141.33,29.04 141.24,29.09 141.14,29.13 141.04,29.16 140.94,29.19 140.84,29.21 140.74,29.21 140.63,29.22 140.53,29.21 140.43,29.19 140.32,29.17 140.22,29.14 140.13,29.1 140.03,29.06 139.94,29.01 139.85,28.95 139.77,28.88 139.7,28.81 139.63,28.74 139.56,28.66 139.5,28.57 139.45,28.48 139.41,28.38 139.37,28.29 139.35,28.24 137.32,28.24 137.32,28.51 135.12,28.51 135.12,29.46 133.61,29.46 133.61,29.13 133.31,29.13 133.31,29.35 131.33,29.35 131.33,28.23 130.02,28.23 129.08,27.28 128.25,27.28 128.25,27.34 128.26,27.37 131.78,30.88 131.78,34.42 133,34.42 133.01,34.37 133.02,34.32 133.04,34.27 133.07,34.23 133.1,34.19 133.11,34.17 133.12,34.14 133.11,34.11 133.1,34.08 133.07,34.05 133.04,34.01 133.02,33.96 133.01,33.91 133,33.86 133,33.81 133.01,33.76 133.02,33.71 133.04,33.66 133.07,33.62 133.1,33.58 133.11,33.56 133.12,33.53 133.11,33.5 133.1,33.47 133.07,33.44 133.04,33.39 133.02,33.35 133.01,33.29 133,33.24 133,33.19 133.01,33.14 133.03,33.08 133.05,33.04 133.08,32.99 133.12,32.96 133.16,32.92 133.21,32.9 133.26,32.88 133.31,32.87 133.37,32.87 133.42,32.88 133.47,32.89 133.52,32.92 133.57,32.95 133.6,32.97 133.63,32.99 133.65,32.99 133.68,32.99 133.71,32.97 133.74,32.95 133.79,32.92 133.83,32.89 133.88,32.88 133.93,32.87 133.99,32.87 134.04,32.88 134.09,32.89 134.13,32.92 134.18,32.95 134.21,32.97 134.23,32.99 134.26,32.99 134.29,32.99 134.32,32.97 134.35,32.95 134.4,32.92 134.45,32.89 134.5,32.88 134.55,32.87 134.6,32.87 134.66,32.88 134.71,32.9 134.76,32.92 134.8,32.96 134.84,32.99 134.87,33.04 134.89,33.08 134.91,33.14 134.92,33.19 134.92,33.24 134.91,33.29 134.9,33.35 134.88,33.39 134.85,33.44 134.82,33.47 134.81,33.5 134.8,33.53 134.81,33.56 134.82,33.58 134.85,33.62 134.88,33.66 134.9,33.71 134.91,33.76 134.92,33.81 134.92,33.86 134.91,33.91 134.9,33.96 134.88,34.01 134.85,34.05 134.82,34.08 134.81,34.11 134.8,34.14 134.81,34.17 134.82,34.19 134.85,34.23 134.88,34.27 134.9,34.32 134.91,34.37 134.92,34.42 134.92,34.47 134.91,34.52 134.9,34.57 134.88,34.62 134.85,34.66 134.82,34.69 134.81,34.72 134.8,34.75 134.81,34.78 134.82,34.8 134.85,34.84 134.88,34.88 134.9,34.93 134.91,34.98 134.92,35.03 134.92,35.09 134.91,35.14 134.89,35.19 134.87,35.24 134.84,35.28 134.8,35.32 134.76,35.35 134.71,35.38 134.66,35.39 134.6,35.4 134.55,35.4 134.5,35.4 134.45,35.38 134.4,35.36 134.35,35.33 134.32,35.3 134.29,35.29 134.26,35.29 134.23,35.29 134.21,35.3 134.18,35.33 134.13,35.36 134.08,35.38 134.03,35.4 133.98,35.4 133.93,35.4 133.87,35.39 133.82,35.38 133.78,35.35 133.73,35.32 133.7,35.29 133.66,35.24 133.64,35.2 133.62,35.15 133.61,35.09 133.61,35.04 133.61,34.99 133.63,34.94 133.65,34.89 133.68,34.84 133.71,34.8 133.75,34.76 133.75,34.74 133.71,34.69 133.68,34.68 133.65,34.68 133.63,34.68 133.6,34.69 133.57,34.72 133.52,34.75 133.47,34.77 133.42,34.79 133.37,34.79 133.31,34.79 133.26,34.78 133.21,34.77 133.16,34.74 133.12,34.71 133.08,34.67 133.05,34.63 133.03,34.58 133.01,34.53 133,34.48 133,34.42 131.78,34.42
GND on BOTTOM (solid shape): 94.64,52.2 94.59,52.2 94.59,51.35 93.65,51.35 93.57,51.39 93.55,51.48 93.57,51.62 93.55,51.75 93.54,51.78 94.12,52.36 94.64,52.36
GND on BOTTOM (solid shape): 103.63,56.19 102.62,55.17 102.62,53.21 102.58,53.16 102.53,53.17 102.47,53.23 101.34,53.23 101.34,53.39 101.35,53.39 101.35,54.89 102.14,55.68 102.14,56.52 103.38,57.76 103.63,57.76
GND on BOTTOM (solid shape): 107.79,46.94 106.83,45.97 106,45.97 106,47.72 105.91,47.72 105.83,47.75 105.81,47.83 105.8,47.92 105.77,48 105.76,48.02 105.76,48.27 107.79,48.27
GND on BOTTOM (solid shape): 13.22,75.84 13.28,75.93 13.4,75.91 14.87,74.44 14.87,74.36 14.8,74.26 14.69,74.28 13.22,75.75
GND on BOTTOM (solid shape): 84.01,74.47 84.17,74.62 84.42,74.37 84.35,74.3 84.79,73.85 84.5,73.56 84.19,73.56 83.89,73.25 83.45,73.25 82.82,73.88 82.81,73.93 82.86,73.96 82.94,73.96 83.16,74.19 83.16,74.78 83.51,74.78 83.6,74.87
GND on BOTTOM (solid shape): 74.83,74.29 75.08,74.29 75.08,74.3 75.2,74.3 75.2,74.22 75.13,74.17 75.02,74.06 73.13,74.06 73.13,74.44 73.43,74.44 73.72,74.55 73.88,74.81 73.88,74.85 74.83,74.85
GND on BOTTOM (solid shape): 82.04,70.45 82.04,70.26 80.69,68.92 80.64,68.88 80.53,68.86 80.47,68.95 80.47,68.98 80.54,69.07 81.98,70.51
GND on BOTTOM (solid shape): 71.82,78.45 71.84,78.34 71.75,78.28 71.55,78.28 71.5,78.28 68.47,78.28 68.38,78.35 68.4,78.46 68.63,78.69 71.58,78.69
GND on BOTTOM (solid shape): 75.85,67.51 75.95,67.45 75.92,67.34 74.73,66.14 74.62,66.14 74.53,66.2 74.55,66.32 75.46,67.23 75.47,67.23 75.58,67.3 75.64,67.4 75.65,67.41 75.75,67.51
GND on BOTTOM (solid shape): 98.42,51.89 98.22,51.69 98.22,51.44 98,51.44 98,51.01 97.96,50.93 97.87,50.91 97.83,50.92 97.79,50.92 97.75,50.94 97.74,50.97 97.74,51.21 97.65,51.3 97.65,51.43 97.52,51.43 97.38,51.57 97.38,52.34 97.45,52.41 98.16,52.41 98.16,52.43 98.42,52.43
GND on BOTTOM (solid shape): 59.12,63.32 59.13,63.23 59.13,62.94 59.23,62.94 59.23,62.84 59.37,62.84 59.42,62.81 59.46,62.79 59.64,62.61 60.16,62.61 60.25,62.52 60.26,62.46 60.21,62.43 56.54,62.43 56.02,62.95 56.05,63.02 56.07,63.02 56.58,63.53 59.13,63.53
GND on BOTTOM (solid shape): 81.72,67.91 81.83,67.93 81.9,67.84 81.9,67.44 81.89,67.38 81.89,64.52 81.66,64.29 81.55,64.26 81.48,64.36 81.48,67.66 81.67,67.85
GND on BOTTOM (solid shape): 112.88,75.33 112.99,75.35 113.06,75.26 113.06,74.82 112.71,74.47 112.2,74.47 111.44,73.71 110.63,73.71 110.02,73.1 107.81,73.1 107.65,73.26 107.63,73.37 107.73,73.43 108.04,73.43 108.14,73.53 110.07,73.53 110.45,73.91 111.37,73.91 112.59,75.13 112.69,75.13
GND on BOTTOM (solid shape): 102.7,47.11 102.72,47.1 102.75,47.09 102.8,47.05 102.83,46.99 102.83,46.76 102.87,46.76 102.87,46.74 102.92,46.74 102.92,46.66 103.68,46.66 103.68,46.74 104.05,46.74 104.05,46.66 104.54,46.66 105.04,46.17 105.04,45.97 102.67,45.97 101.75,46.89 101.73,47 101.82,47.07 101.98,47.07 102.36,47.45
GND on BOTTOM (solid shape): 83.4,59.3 83.51,59.32 83.57,59.23 83.57,51.25 79.21,46.89 79.16,46.89 78.41,46.13 78.41,42.98 78.35,42.88 78.24,42.9 75.11,46.03 75.09,46.14 75.18,46.2 76.42,46.2 83.26,53.05 83.26,59.17
GND on BOTTOM (solid shape): 85.03,68.4 85.14,68.42 85.2,68.32 85.21,68.24 85.25,68.16 85.25,68.04 85.32,67.94 85.32,65.96 85.65,65.63 85.65,62.33 85.59,62.24 85.48,62.26 85.09,62.65 85.09,65.69 84.61,66.18 84.61,66.98 85.07,67.44 84.89,67.62 84.89,67.62 84.81,67.69 84.81,68.18
GND on BOTTOM (solid shape): 11.02,76.22 11.02,76.09 10.27,76.09 10.27,75.99 10.17,75.99 10.17,75.46 9.75,75.04 9.75,74.96 9.15,74.96 9.15,73.35 10.96,73.35 10.96,74.96 10.65,74.96 10.6,74.99 10.61,75.04 10.7,75.13 11.23,75.13 11.23,75.3 11.37,75.3 11.37,75.13 12.98,75.13 14.5,73.61 14.53,73.5 14.43,73.44 14.05,73.44 14.05,73.48 13.28,73.48 13.28,73.38 13.19,73.38 13.19,73.26 11.35,73.26 11.35,71.65 13.16,71.65 13.16,72.15 13.34,72.15 13.62,72.43 14.14,72.43 14.14,72.83 14.87,72.83 14.87,72.58 13.66,71.37 12.21,71.37 11.86,71.02 11.26,71.02 11.26,70.8 11.09,70.8 11.09,71.02 10.09,71.02 9.99,71.12 9.6,71.12 8.81,71.91 8.81,75.23 9.9,76.31 10.93,76.31
GND on BOTTOM (solid shape): 91.19,66.2 91.25,66.29 91.37,66.27 91.79,65.84 91.79,65.07 97.26,59.6 97.26,59.59 97.64,59.42 97.89,59.74 97.89,59.91 92.45,65.34 92.45,65.44 92.51,65.53 92.62,65.51 97.84,60.3 101.74,60.3 102.21,59.83 102.87,59.83 103.04,59.99 118.01,59.99 122.51,55.5 124.16,55.5 124.25,55.44 124.23,55.32 123.59,54.69 122.41,54.69 118.22,58.88 100.73,58.88 100.05,58.19 96.87,58.19 96.78,58.25 96.78,58.35 96.82,58.5 96.78,58.65 96.77,58.66 96.77,59.43 91.19,65.01
GND on BOTTOM (solid shape): 90.73,54.18 90.86,54.07 91.03,54.05 91.06,54.05 91.57,53.54 91.9,53.54 91.91,53.51 91.94,53.46 91.97,53.41 92.92,52.46 92.93,52.45 92.95,52.38 92.99,52.33 93.01,52.23 92.93,52.16 92.69,52.06 92.52,51.85 92.46,51.8 92.39,51.8 92.18,51.79 92.03,51.63 91.95,51.57 91.86,51.6 91.24,52.23 91.24,52.47 91.3,52.57 91.41,52.54 91.5,52.46 91.5,52.44 92,52.31 91.87,52.81 91.86,52.82 90.58,54.09 90.57,54.15 90.62,54.18